# Altium PCB Ixora.PcbDoc (part 3 of 13)
Units mm, origin at the board's own origin, x right, y up, seen from the top; angles counter-clockwise.
Board outline 125 x 90 mm, 6 copper layers (Top Layer, GND, Mid-Layer 1, Mid-Layer 2, POWER, Bottom Layer), stack 1.561 mm thick; 454 components, 512 nets, 2071 pads, 863 vias.
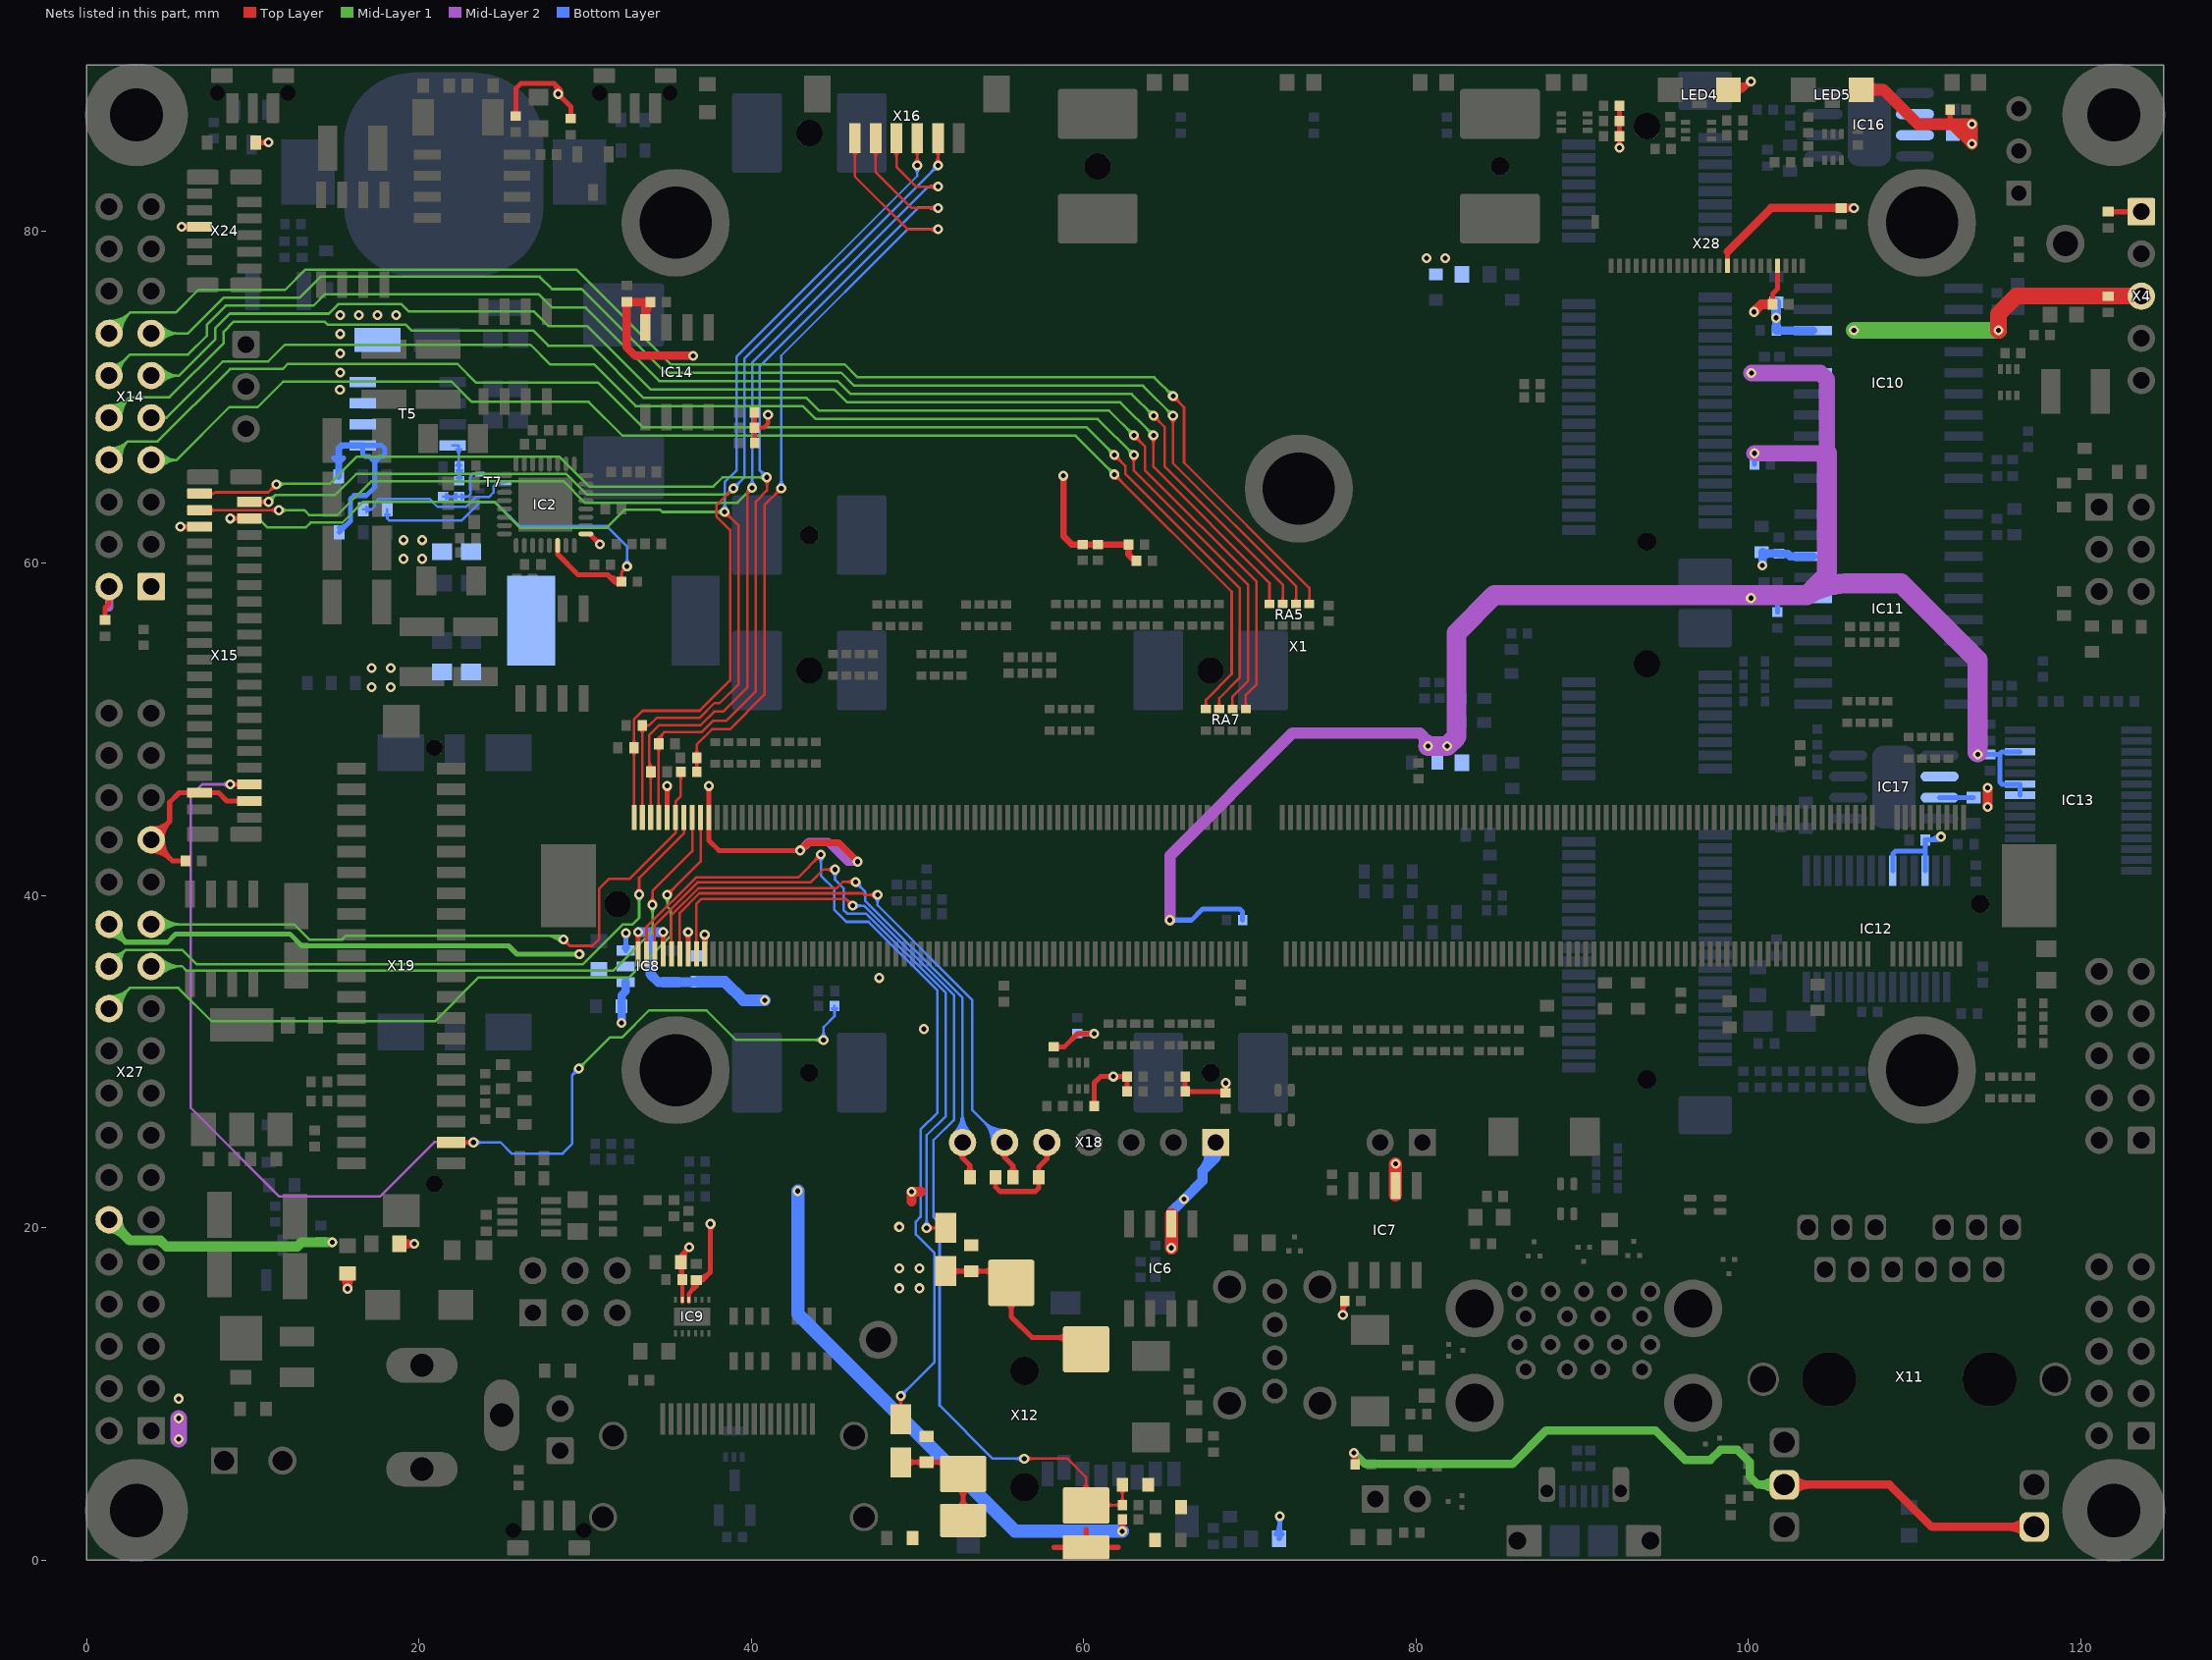
[diagram p7: the nets of this part, all layers, seen from the top]

## Via types
v1: diameter 0.6, hole 0.3, Top Layer to Bottom Layer, tented both sides, 852 vias
v2: diameter 0.6, hole 0.3, Top Layer to Bottom Layer, 11 vias

## Nets (pads, with @x,y where several pads share a name; then routed paths per layer and width w, separated by ;. In a path a pad name is that pad's centre, name@x,y a point inside that pad or via, vN(x,y) a via of type N, cw(c..) or ccw(c..) an arc to the next point about the centre after c; other vN are vias at no path point) (continued)
3.3V_SW: C1.2 C87.2 C95.2 C96.2 C97.2 C108.2 C109.2 C117.2 C118.2 C122.2 C127.2 C134.2 C139.2 C141.2 C144.2 C146.2 IC8.3 IC9.4 IC10.6 IC11.6 IC12.23 IC12.26 IC13.22 IC13.23 IC13.26 IC14.8 IC16.2 IC16.3 IC17.2 IC17.3 L6.2 L19.2 L26.1 L27.1 L28.1 LED4.A LED5.A R1.1 R36.1 R38.2 R41.2 R42.2 R43.2 R48.1 R51.2 R52.2 R57.1 R59.2 R60.2 R61.2 R62.2 R63.2 R64.2 R77.1 R78.1 R83.1 R86.1 R92.2 R93.2 R94.2 R95.2 R105.2 R111.2 R116.2 R123.1 R124.1 R125.2 T5.5 T5.6 T5.7 T5.8 X4.1 X11.14 X11.16 X14.1 X14.2 X15.3 X15.4 X15.36 X24.6 X27.29 X28.15 | length 336.4
  Top Layer w0.25: IC9.4@36.25,15.55 36.25,16.03 ; C95.2@36.498,16.83 cw(c35.615,16.665) 36.25,16.03 ; 36.586,16.366 ccw(c36.181,16.771) C95.2@36.744,16.876 ; C95.2@36.624,16.743 cw(c36.386,16.503) 36.724,16.503 ; C95.2@36.724,16.8 36.724,16.504 ; C95.2@36.837,16.727 ccw(c37,16.503) 36.724,16.503 ; 36.25,16.03 36.724,16.504
  Top Layer w0.254: R94.2@40.087,68.037 cw(c39.801,67.751) 40.206,67.751 ; R94.2@40.087,68.31 ccw(c39.801,68.596) 40.206,68.596 ; R92.2@40.087,68.951 cw(c39.801,68.665) 40.206,68.665 ; R93.2@40.094,67.396 ccw(c39.824,67.666) 40.206,67.666 ccw(c40.587,67.666) R93.2@40.317,67.396 ; R94.2@40.199,68.174 R94.2@40.206,68.174 ; R93.2@40.206,67.259 R94.2@40.206,68.174 ; 40.206,67.784 cw(c40.564,67.784) R94.2@40.311,68.037 ; 40.206,68.564 ccw(c40.564,68.564) R94.2@40.311,68.31 ; 40.206,68.698 cw(c40.564,68.698) R92.2@40.311,68.951 ; R92.2@40.206,69.081 R94.2@40.206,68.174 ; R94.2@40.311,68.062 cw(c40.58,67.792) 40.58,68.174 cw(c40.58,68.555) R94.2@40.311,68.285 ; v1(41.012,68.936) 41.012,68.418 40.767,68.174 R94.2@40.206,68.174
  Top Layer w0.3: C87.2@1.11,56.59 1.11,57.329 1.36,57.579 X14.2@1.36,58.6 ; X27.29@3.9,42.685 cw(c3.9,41.055) 5.052,42.208 cw(c6.205,43.36) X27.29@4.575,43.36 ; X27.29@3.9,42.985 cw(c3.9,42.08) 4.54,42.72 cw(c5.18,43.36) X27.29@4.275,43.36 ; X27.29@3.913,43.735 ccw(c3.94,44.543) 4.511,43.971 ccw(c5.083,43.4) X27.29@4.275,43.373 ; X27.29@3.923,44.035 ccw(c3.971,45.489) 5,44.46 ; X27.29@4.575,43.383 cw(c6.029,43.431) 5,44.46 ; v1(5.65,62.2) X15.36@6.8,62.2 ; v1@5.756,62.094 cw(c6.012,61.838) 6.012,62.2 cw(c6.012,62.562) v1@5.756,62.306 ; C96.2@5.96,42.1 5.16,42.1 X27.29@3.9,43.36 5,44.46 ; X15.4@6.244,46.094 ccw(c5.988,45.838) 5.988,46.2 ccw(c5.988,46.562) X15.4@6.244,46.306 ; X15.36@6.244,62.094 ccw(c5.988,61.838) 5.988,62.2 ccw(c5.988,62.562) X15.36@6.244,62.306 ; X15.4@7.356,46.094 cw(c7.612,45.838) 7.612,46.2 cw(c7.612,46.562) X15.4@7.356,46.306 ; X15.3@9.244,45.594 ccw(c8.988,45.338) 8.988,45.7 ccw(c8.988,46.062) X15.3@9.244,45.806 ; X15.3@9.8,45.7 8.45,45.7 7.95,46.2 X15.4@6.8,46.2 5.572,46.2 5,45.628 5,44.46 ; R36.1@10.173,85.329 v1(10.958,85.329) ; R36.1@10.296,85.205 cw(c10.595,84.906) 10.595,85.329 cw(c10.595,85.751) R36.1@10.296,85.453 ; v1@10.852,85.223 ccw(c10.595,84.967) 10.595,85.329 ccw(c10.595,85.691) v1@10.852,85.435 ; R43.2@25.736,87.012 ccw(c25.506,87.242) 25.832,87.242 ccw(c26.158,87.242) R43.2@25.927,87.012 ; R43.2@25.832,86.916 25.832,88.57 26.137,88.875 28.143,88.875 ; v1@28.248,88.308 ccw(c27.784,88.515) 28.143,88.875 ; v1@28.279,88.353 ccw(c28.023,88.609) 28.385,88.609 ccw(c28.747,88.609) v1@28.491,88.353 ; v1@28.385,88.097 cw(c28.385,87.735) 28.641,87.991 cw(c28.897,88.247) v1@28.535,88.247 ; 28.451,88.566 cw(c28.21,88.325) v1@28.522,88.186 ; R38.2@29.053,86.859 ccw(c28.823,87.09) 29.149,87.09 ccw(c29.475,87.09) R38.2@29.244,86.859 ; R38.2@29.149,86.84 29.149,87.483 v1(28.385,88.247) 28.385,88.633 28.143,88.875 ; C95.2@36.7,16.86 37.06,16.86 ; C95.2@36.74,17 ccw(c36.74,18.11) 37.525,17.325 ; C95.2@36.843,16.765 cw(c37.06,16.564) 37.06,16.86 ; C95.2@36.843,16.955 ccw(c37.06,17.156) 37.06,16.86 ; v1@37.444,20.144 cw(c37.188,19.888) 37.55,19.888 cw(c37.912,19.888) v1@37.656,20.144 ; v1@37.6,20.25 v1(37.55,20.25) 37.55,17.35 37.06,16.86 ; R52.2@58.2,30.909 58.849,30.909 59.64,31.7 v1(60.644,31.7) ; R52.2@58.32,30.813 cw(c58.551,30.583) 58.551,30.909 cw(c58.551,31.235) R52.2@58.32,31.004 ; v1@60.537,31.594 ccw(c60.281,31.338) 60.281,31.7 ccw(c60.281,32.062) v1@60.537,31.806 ; R51.2@60.547,27.455 ccw(c60.317,27.686) 60.643,27.686 ccw(c60.969,27.686) R51.2@60.738,27.455 ; R51.2@60.643,27.335 60.643,28.737 61.019,29.113 v1(61.795,29.113) R64.2@62.617,29.113 ; v1@61.689,29.007 ccw(c61.433,28.751) 61.433,29.113 ccw(c61.433,29.475) v1@61.689,29.219 ; v1@61.901,29.007 cw(c62.157,28.751) 62.157,29.113 cw(c62.157,29.475) v1@61.901,29.219 ; 62.28,29.113 cw(c62.28,28.771) R64.2@62.521,29.013 ; 62.302,29.113 ccw(c62.302,29.423) R64.2@62.521,29.204 ; R61.2@62.521,28.34 ccw(c62.291,28.57) 62.617,28.57 ccw(c62.943,28.57) R61.2@62.712,28.34 ; R64.2@62.521,28.988 cw(c62.291,28.757) 62.617,28.757 cw(c62.943,28.757) R64.2@62.712,28.988 ; R61.2@62.617,28.219 R64.2@62.617,29.108 ; R63.2@66.018,28.34 ccw(c65.788,28.57) 66.114,28.57 ccw(c66.439,28.57) R63.2@66.209,28.34 ; R62.2@66.018,28.988 cw(c65.788,28.758) 66.114,28.758 cw(c66.44,28.758) R62.2@66.209,28.988 ; R62.2@66.114,29.108 66.114,28.245 66.139,28.219 68.555,28.219 v1(68.555,28.727) ; R63.2@66.209,28.124 cw(c66.439,27.894) 66.439,28.219 cw(c66.439,28.545) R63.2@66.209,28.315 ; 67.996,28.219 cw(c67.996,27.599) R60.2@68.434,28.038 ; v1@68.449,28.621 cw(c68.192,28.365) 68.555,28.365 cw(c68.917,28.365) v1@68.661,28.621 ; R60.2@68.459,28.229 ccw(c68.229,28.459) 68.555,28.459 ccw(c68.881,28.459) R60.2@68.65,28.229 ; v1@68.471,28.603 cw(c68.373,28.458) R60.2@68.542,28.412 ; R60.2@68.567,28.412 cw(c68.736,28.458) v1@68.638,28.603 ; v1@75.494,14.867 ccw(c75.238,15.123) 75.6,15.123 ccw(c75.962,15.123) v1@75.706,14.867 ; v1(75.6,14.761) 75.6,15.48 R48.1@75.72,15.6 ; v1@75.6,14.959 cw(c76.336,14.959) R48.1@75.815,15.48 ; v1@76.16,6.368 cw(c75.72,5.928) R57.1@76.342,5.928 ; v1(76.266,6.474) 76.342,6.398 R57.1@76.342,5.77 ; v1@92.144,85.113 ccw(c91.888,85.369) 92.25,85.369 ccw(c92.612,85.369) v1@92.356,85.113 ; R123.1@92.152,87.408 cw(c91.915,87.171) 92.25,87.171 ; R125.2@92.155,85.579 cw(c91.924,85.349) 92.25,85.349 cw(c92.576,85.349) R125.2@92.346,85.579 ; R125.2@92.155,85.82 ccw(c91.924,86.051) 92.25,86.051 ccw(c92.576,86.051) R125.2@92.346,85.82 ; R124.1@92.155,86.494 cw(c91.924,86.263) 92.25,86.263 cw(c92.576,86.263) R124.1@92.346,86.494 ; R124.1@92.155,86.734 ccw(c91.924,86.965) 92.25,86.965 ccw(c92.576,86.965) R124.1@92.346,86.734 ; R123.1@92.248,87.528 92.25,87.526 R125.2@92.25,85.7 v1@92.25,85.033 ; 92.25,87.184 cw(c92.567,87.184) R123.1@92.343,87.408 ; X28.15@98.75,77.905 98.75,78.76 ; LED4.A@99,88.728 ccw(c99.441,89.244) 99.92,88.764 ; LED4.A@99.195,88.956 ccw(c99.652,89.492) v1(100.15,88.994) 99.656,88.5 ; LED4.A@99.37,88.298 cw(c99.656,88.196) 99.656,88.5 ; LED4.A@99.37,88.702 ccw(c99.656,88.804) 99.656,88.5 ; 99.691,88.535 cw(c99.229,88.997) LED4.A@98.805,88.5 99.656,88.5 ; v1@100,88.994 cw(c99.638,88.994) 99.894,88.738 cw(c100.15,88.482) v1@100.15,88.844 ; R1.1@112.048,87.179 cw(c111.822,86.954) 112.141,86.954 ; 112.141,86.614 R1.1@112.141,87.302 ; 112.141,86.944 cw(c112.474,86.944) R1.1@112.239,87.179 ; C1.2@121.655,81.16 X4.1@123.65,81.16 ; C1.2@121.789,81.066 cw(c122.016,80.839) 122.016,81.16 ; C1.2@121.789,81.264 ccw(c122.04,81.515) 122.04,81.16 ; X4.1@123.385,80.895 ccw(c122.745,80.255) 122.745,81.16 ccw(c122.745,82.065) X4.1@123.385,81.425
  Top Layer w0.4: v1(5.729,80.25) X24.6@6.8,80.25 ; 58.786,61.635 59.286,61.135 R42.2@59.931,61.135 R77.1@62.704,61.135 62.704,60.537 63.073,60.168 R78.1@63.178,60.168 ; 58.786,61.661 v1(58.786,65.27)
  Top Layer w0.5: IC14.8@33.63,74.201 33.63,75.717 ; IC14.8@33.63,74.875 cw(c34.75,74.875) R95.2@33.958,75.668 ; R95.2@33.933,75.717 33.63,75.717 ; v1(36.5,72.492) 33.02,72.492 32.512,73 32.512,75.717 33.63,75.717 ; R92.2@40.199,69.088 R92.2@40.206,69.081 ; 98.75,78.76 101.371,81.382 C134.2@105.588,81.382 v1(106.35,81.382) ; X11.16@102.163,4.55 108.5,4.55 111.04,2.01 X11.14@117.2,2.01 ; X11.16@102.615,4.098 cw(c103.706,3.007) 103.706,4.55 cw(c103.706,6.093) X11.16@102.615,5.002 ; X11.14@116.748,1.558 ccw(c115.657,0.467) 115.657,2.01 ccw(c115.657,3.553) X11.14@116.748,2.462
  Top Layer w0.6: L26.1@15.569,17.002 cw(c15.253,16.686) 15.7,16.686 cw(c16.147,16.686) L26.1@15.831,17.002 ; v1(15.7,16.35) L26.1@15.7,17.26 ; v1(114.398,45.35) v1(114.398,46.5)
  Top Layer w0.7: LED5.A@106.805,88.5 108.121,88.5 110.189,86.433 113.462,86.433 113.462,85.258 112.301,86.418 ; LED5.A@107.088,88.217 cw(c107.771,87.534) 107.771,88.5 cw(c107.771,89.466) LED5.A@107.088,88.783
  Mid-Layer 2 w0.3: 80.214,49.51 cw(c79.958,49.254) 80.32,49.254 ; 80.747,49.561 ccw(c81.003,49.817) 81.003,49.455
  Mid-Layer 2 w0.5: 1.36,57.342 X14.2@1.36,58.6
  Mid-Layer 2 w0.7: v1(65.2,38.532) 65.2,42.416 72.568,49.784 80.239,49.784 80.724,49.299 v1(80.724,49)
  Mid-Layer 2 w1: v1(5.55,7.288) v1(5.55,8.55) ; v1(100.18,71.455) 104.338,71.455 104.724,71.069 104.724,66.625 v1(100.37,66.625)
  Mid-Layer 2 w1.2: v1(80.724,49) v1(81.874,49) 82.439,49.566 82.439,55.82 84.711,58.092 103.532,58.092 ; 104.724,66.625 104.724,59.284 103.532,58.092 ; v1@113.8,48.641 113.8,54.196 109.2,58.796 106.206,58.796 ccw(c106.108,53.736) 103.532,58.092
  Mid-Layer 1 w0.5: v1(76.266,6.474) 76.949,5.791 85.801,5.791 87.833,7.823 94.412,7.823 96.19,6.045 97.714,6.045 98.323,6.655 99.339,6.655 100.076,5.918 100.076,5.049 100.575,4.55 X11.16@102.163,4.55 ; X11.16@101.711,4.098 ccw(c100.62,3.007) 100.62,4.55 ccw(c100.621,6.093) X11.16@101.711,5.002
  Bottom Layer w0.3: 14.869,66.347 15.175,66.04 15.482,66.347 ; R83.1@15.201,61.874 15.215,61.874 15.875,62.535 15.875,63.856 16.104,64.084 16.84,64.084 17.35,64.594 17.35,66.114 ; R83.1@15.201,62.149 ccw(c15.201,62.847) 15.694,62.354 ; IC8.3@32.348,36.853 ccw(c32.092,37.109) 32.454,37.109 ccw(c32.816,37.109) IC8.3@32.56,36.853 ; v1@32.348,37.645 cw(c32.092,37.389) 32.454,37.389 cw(c32.816,37.389) v1@32.56,37.645 ; IC8.3@32.454,36.698 v1(32.454,37.75) ; R59.2@59.621,31.7 v1(60.644,31.7) ; v1@60.537,31.594 ccw(c60.281,31.338) 60.281,31.7 ccw(c60.281,32.062) v1@60.537,31.806 ; v1(65.2,38.532) 66.497,38.532 67.158,39.192 69.393,39.192 69.568,39.017 R116.2@69.568,38.532 ; v1@65.306,38.426 cw(c65.562,38.17) 65.562,38.532 cw(c65.562,38.894) v1@65.306,38.638 ; L19.2@71.556,1.567 ccw(c70.969,2.154) 71.8,2.154 ; v1@71.694,2.544 cw(c71.438,2.288) 71.8,2.288 cw(c72.162,2.288) v1@71.906,2.544 ; L19.2@71.758,1.3 71.8,1.342 v1(71.8,2.65) ; 71.8,1.952 ccw(c72.345,1.952) L19.2@71.96,1.567 ; v1@100.264,66.519 cw(c100.008,66.263) 100.37,66.263 cw(c100.732,66.263) v1@100.476,66.519 ; R105.2@100.37,65.95 v1(100.37,66.625) ; R111.2@101.75,57.07 101.75,57.89 C117.2@101.75,57.91 ; IC12.23@108.693,41.5 108.693,42.526 108.842,42.675 110.657,42.675 ; IC12.26@110.657,41.5 110.657,42.675 ; C122.2@110.844,43.35 ccw(c110.844,44.178) v1@111.479,43.646 ; IC17.3@111.512,45.9 C144.2@113.55,45.9 ; v1(111.594,43.55) 111.394,43.35 C122.2@110.657,43.35 110.657,42.675 ; v1(113.8,48.5) C127.2@114.545,48.5 ; v1@113.906,48.394 cw(c114.162,48.138) 114.162,48.5 cw(c114.162,48.862) v1@113.906,48.606 ; C127.2@114.695,48.5 115.099,48.5 115.138,48.539 ; IC13.22@116.35,46.054 IC13.23@116.35,46.704 115.272,46.704 115.138,46.838 115.138,48.539 ; IC13.26@116.35,48.654 115.253,48.654 115.138,48.539 ; 17.35,66.114 17.657,66.421 17.805,66.421 17.958,66.573 17.958,66.894 17.757,67.095 T5.5@16.62,67.095 16.62,66.565 16.764,66.421 17.043,66.421 17.35,66.114
  Bottom Layer w0.4: R86.1@15.175,65.227 15.175,66.04 15.175,66.915 15.355,67.095 T5.5@16.62,67.095
  Bottom Layer w0.5: v1(100.15,57.91) C118.2@100.95,57.91 100.97,57.89 101.75,57.89 IC11.6@103.9,57.89 ; v1(100.18,71.455) C109.2@100.971,71.455 C108.2@101.875,71.455 101.9,71.48 IC10.6@103.895,71.48
  other v1: 5.55,9.728 15.25,70.45 15.26,71.475 15.26,72.641 15.26,73.807 15.26,74.935 16.388,74.935 17.516,74.935 18.644,74.935 80.645,78.359 81.75,78.359 92.25,85.007 113.454,85.25 113.454,86.425
3.3V_SW_EN: R28.1 R29.2 T7.2 | length 11.1
  Bottom Layer w0.15: R28.1@16.651,63.246 17.17,63.246 ; R28.1@16.846,63.09 cw(c17.17,62.831) 17.17,63.246 ; R28.1@16.846,63.402 ccw(c17.17,63.661) 17.17,63.246 ; T7.2@25.062,64.819 ccw(c24.934,64.691) 24.934,64.872 ccw(c24.934,65.053) T7.2@25.062,64.925 ; T7.2@25.25,64.872 24.714,64.872 24.486,64.643 24.486,64.262 24.206,63.983 23.419,63.983 22.836,63.4 21.131,63.4 20.65,63.881 17.577,63.881 17.348,63.652 17.348,63.424 17.17,63.246
3.3V_SW_EN#: C42.1 R27.1 T5.4 | length 7
  Bottom Layer w0.15: T5.4@22.02,67.095 22.4,67.095 C42.1@22.4,65.493 ; C42.1@22.251,65.876 ccw(c21.884,66.243) 22.403,66.243 ccw(c22.922,66.243) C42.1@22.555,65.876 ; T5.4@22.251,66.864 cw(c21.884,66.497) 22.403,66.497 cw(c22.922,66.497) T5.4@22.555,66.864 ; C42.1@22.288,65.603 cw(c21.921,65.236) 22.44,65.236 cw(c22.959,65.236) C42.1@22.592,65.603 ; R27.1@22.291,65.124 ccw(c21.933,65.482) 22.44,65.482 ccw(c22.947,65.482) R27.1@22.588,65.124 ; C42.1@22.318,65.578 cw(c22.198,65.402) 22.404,65.347 ; C42.1@22.332,65.569 cw(c22.194,65.329) 22.462,65.401 ; 22.418,65.401 cw(c22.686,65.329) C42.1@22.547,65.569 ; R27.1@22.44,64.975 C42.1@22.44,65.795 ; 22.476,65.347 cw(c22.682,65.402) C42.1@22.562,65.578
3.3V_SW_EN_R#: R26.2 R27.2 T7.6 | length 5.9
  Bottom Layer w0.15: R26.2@21.46,64.015 R27.2@22.44,64.015 22.944,64.015 23.114,64.186 23.114,65.227 23.258,65.372 T7.6@23.67,65.372 ; R26.2@21.633,63.867 cw(c21.992,63.508) 21.992,64.015 cw(c21.992,64.522) R26.2@21.633,64.164 ; R27.2@22.266,63.867 ccw(c21.908,63.508) 21.908,64.015 ccw(c21.908,64.522) R27.2@22.266,64.164 ; R27.2@22.572,63.877 cw(c22.876,63.612) 22.876,64.015 cw(c22.876,64.419) R27.2@22.572,64.154 ; T7.6@23.482,65.319 ccw(c23.354,65.191) 23.354,65.372 ccw(c23.354,65.553) T7.6@23.482,65.425
5V_PGOOD: IC2.30 R17.1 R28.2 | length 28.7
  Top Layer w0.15: R17.1@32.047,59.074 ccw(c31.688,59.432) 32.195,59.432 ccw(c32.702,59.432) R17.1@32.343,59.074 ; R17.1@32.195,58.9 32.195,59.477 ; v1@32.306,59.789 cw(c31.922,59.75) 32.195,59.477 ; v1@32.507,59.588 ccw(c32.468,59.203) 32.195,59.477 ; v1(32.53,59.812) 32.195,59.477
  Top Layer w0.3: IC2.30@28.35,61.075 28.35,60.55 29.58,59.32 31.36,59.32 ; 31.774,58.906 ccw(c32.138,59.271) R17.1@32.222,58.762 ; R17.1@32.1,58.805 ccw(c31.869,58.574) 31.869,58.9 ccw(c31.869,59.226) R17.1@32.1,58.995 ; R17.1@32.173,59.058 cw(c32.022,59.982) 31.36,59.32 ; R17.1@32.195,58.9 31.78,58.9 31.36,59.32
  Bottom Layer w0.15: R28.2@17.969,62.934 cw(c17.822,62.697) 18.101,62.697 ; R28.2@18.101,63.246 18.101,62.697 ; R28.2@18.233,62.934 ccw(c18.38,62.697) 18.101,62.697 ; v1@32.371,59.971 ccw(c31.987,60.355) 32.53,60.355 ccw(c33.073,60.355) v1@32.689,59.971 ; v1(32.53,59.812) 32.53,61.018 31.309,62.239 26.051,62.239 24.613,63.678 23.673,63.678 22.581,62.586 18.212,62.586 18.101,62.697
5V_SW: C2.1 C36.2 C37.2 C38.2 C39.2 C55.2 C65.2 C66.1 C86.2 C104.2 C105.2 C113.2 C114.2 C133.2 IC2.1 IC6.2 IC7.2 IC8.1 IC9.5 IC10.8 IC11.8 L5.2 L25.1 X4.3 X18.1 X27.12 X28.21 | length 76.5
  Top Layer w0.25: C55.2@35.616,17.707 cw(c35.051,17.141) C66.1@35.85,17.141 ; C66.1@35.708,17.024 ccw(c35.224,17.309) 35.766,17.454 ; C66.1@35.733,16.743 cw(c35.452,16.462) 35.85,16.462 cw(c36.248,16.462) C66.1@35.967,16.743 ; C66.1@35.733,17.057 ccw(c35.452,17.338) 35.85,17.338 ccw(c36.248,17.338) C66.1@35.967,17.057 ; C55.2@35.75,18.012 cw(c36.314,18.096) 35.911,18.499 ; IC9.5@35.85,15.55 C66.1@35.85,16.9 35.85,17.866 C55.2@35.775,17.941 35.775,18.363 v1(36.262,18.85) ; 35.85,17.504 cw(c36.137,17.504) C55.2@35.934,17.707 ; C55.2@35.998,18.049 cw(c36.925,18.187) v1(36.262,18.85) ; v1@36.087,18.85 cw(c35.665,18.85) 35.963,18.551 cw(c36.262,18.253) v1@36.262,18.675
  Top Layer w0.3: IC2.1@30.05,61.775 30.275,61.775 v1(30.9,61.15) ; v1@30.75,61.15 ccw(c30.388,61.15) 30.644,61.406 ccw(c30.9,61.662) v1@30.9,61.3 ; C133.2@101.466,75.59 101.466,76.218 101.75,76.502 X28.21@101.75,77.905
  Top Layer w0.5: L25.1@18.828,19.05 v1(19.736,19.05) ; L25.1@19.111,18.919 cw(c19.427,18.603) 19.427,19.05 cw(c19.427,19.497) L25.1@19.111,19.181
  Top Layer w0.6: v1(100.33,75.133) 100.787,75.59 C133.2@101.466,75.59
  Top Layer w0.8: v1(65.285,18.8) IC6.2@65.285,20.25 IC6.2@65.285,20.8 ; IC7.2@78.768,22 v1(78.768,23.86)
  Top Layer w1: v1(115.041,74.02) 115.041,75.011 116.11,76.08 C2.1@121.65,76.08 X4.3@123.65,76.08
  Mid-Layer 1 w0.6: X27.12@1.36,19.975 cw(c1.36,18.708) 2.256,19.604 cw(c3.152,20.5) X27.12@1.885,20.5 ; X27.12@1.36,20.5 2.61,19.25 4.45,19.25 4.81,18.89 12.69,18.89 12.95,19.15 v1(14.8,19.15)
  Mid-Layer 1 w1: v1(106.35,74.02) v1(115.041,74.02)
  Bottom Layer w0.5: C65.2@14.1,19.16 14.79,19.16 v1(14.8,19.15) v1@14.85,19.15 ; v1(32.2,32.35) C86.2@32.2,33.35 32.2,34.003 32.454,34.257 IC8.1@32.454,34.798 ; v1(100.85,59.883) 100.85,60.675 100.925,60.6 101.81,60.6 101.85,60.56 102.382,60.56 102.512,60.43 IC11.8@103.9,60.43 ; v1(101.676,74.778) 101.676,74.027 C105.2@101.684,74.02 IC10.8@103.895,74.02
  Bottom Layer w0.6: v1(65.285,18.8) 65.285,20.979 v1(66.05,21.744) 67.153,22.847 67.153,23.447 ; X18.1@67.463,24.955 cw(c66.165,24.435) 67.153,23.447 ; X18.1@67.689,24.695 cw(c67.43,24.243) 67.95,24.243 ; 67.796,24.09 ccw(c67.083,24.803) X18.1@68.02,25.178 ; X18.1@67.95,25.15 67.95,24.243 ; X18.1@68.211,24.695 ccw(c68.47,24.243) 67.95,24.243 ; v1(101.676,74.778) C104.2@101.676,75.704 ; 67.153,23.447 67.95,24.243
  other v1: 17.15,52.55 18.3,52.55 17.15,53.7 18.3,53.7 19.075,60.275 20.2,60.275 19.075,61.4 20.2,61.4
AAP1_HP_AC_L: C76.2 C79.2 X12.2 X12.5 | length 16.8
  Top Layer w0.3: C76.2@51.7,17.404 C79.2@53.237,17.404 55.644,17.404 55.644,14.655 56.895,13.404 X12.2@60.144,13.404 ; C76.2@52.143,17.245 cw(c52.527,16.861) 52.527,17.404 cw(c52.527,17.947) C76.2@52.143,17.563 ; C79.2@53.013,17.245 ccw(c52.629,16.861) 52.629,17.404 ccw(c52.629,17.947) C79.2@53.013,17.563 ; C79.2@53.489,17.245 cw(c53.873,16.861) 53.873,17.404 cw(c53.873,17.947) C79.2@53.489,17.563 ; X12.5@54.41,17.245 ccw(c54.026,16.861) 54.026,17.404 ccw(c54.026,17.947) X12.5@54.41,17.563 ; X12.5@55.485,15.425 cw(c55.101,15.041) 55.644,15.041 cw(c56.187,15.041) X12.5@55.803,15.425 ; X12.2@58.859,13.245 ccw(c58.475,12.861) 58.475,13.404 ccw(c58.475,13.947) X12.2@58.859,13.563
AAP1_HP_AC_R: C77.2 C78.2 X12.3 X12.6 | length 11.7
  Top Layer w0.3: C77.2@49,5.904 C78.2@50.55,5.904 52.744,5.904 X12.6@52.744,3.104 ; C77.2@49.476,5.745 cw(c49.86,5.361) 49.86,5.904 cw(c49.86,6.447) C77.2@49.476,6.063 ; C78.2@50.27,5.745 ccw(c49.886,5.361) 49.886,5.904 ccw(c49.886,6.447) C78.2@50.27,6.063 ; C78.2@50.772,5.745 cw(c51.156,5.361) 51.156,5.904 ; C78.2@50.772,6.063 ccw(c51.156,6.447) 51.156,5.904 ; X12.3@51.54,5.745 ccw(c51.156,5.361) 51.156,5.904 ; X12.3@51.54,6.063 cw(c51.156,6.447) 51.156,5.904 ; X12.6@52.591,3.285 ccw(c52.207,3.669) 52.75,3.669 ccw(c53.293,3.669) X12.6@52.909,3.285 ; X12.3@52.591,4.188 cw(c52.207,3.804) 52.75,3.804 cw(c53.293,3.804) X12.3@52.909,4.188
AAP1_HP_L: C76.1 X1.316 | length 45.1
  Top Layer w0.15: X1.316@34.147,37.204 ccw(c34.019,37.332) 34.2,37.332 ccw(c34.381,37.332) X1.316@34.253,37.204 ; X1.316@34.2,36.5 34.2,38.23 36.77,40.8 43.554,40.8 44.328,41.575 v1(45.042,41.575) ; v1@44.883,41.415 ccw(c44.499,41.031) 44.499,41.575 ccw(c44.499,42.118) v1@44.883,41.734 ; v1(50.55,20) 50.554,20.004 C76.1@51.7,20.004 ; v1@50.695,19.841 cw(c51.079,19.457) 51.079,20 cw(c51.079,20.543) v1@50.695,20.159 ; C76.1@51.29,19.845 ccw(c50.906,19.461) 50.906,20.004 ccw(c50.906,20.547) C76.1@51.29,20.163
  Bottom Layer w0.15: v1@44.883,41.415 cw(c44.499,41.031) 45.042,41.031 cw(c45.585,41.031) v1@45.201,41.415 ; v1(45.042,41.575) 45.042,40.962 45.55,40.454 45.55,39.15 45.775,38.925 46.916,38.925 51.708,34.133 51.708,26.739 50.55,25.582 v1(50.55,20) ; v1@50.391,20.159 ccw(c50.007,20.543) 50.55,20.543 ccw(c51.093,20.543) v1@50.709,20.159
AAP1_HP_R: C77.1 X1.318 | length 58
  Top Layer w0.15: X1.318@33.647,37.204 ccw(c33.519,37.332) 33.7,37.332 ccw(c33.881,37.332) X1.318@33.753,37.204 ; X1.318@33.7,36.5 33.7,38.128 36.672,41.1 42.814,41.1 v1(44.187,42.473) ; v1@43.962,42.473 cw(c43.419,42.473) 43.803,42.089 cw(c44.187,41.705) v1@44.187,42.248 ; C77.1@48.838,9.22 ccw(c48.453,9.604) 48.997,9.604 ccw(c49.54,9.604) C77.1@49.156,9.22 ; v1@48.841,9.741 cw(c48.457,9.357) 49,9.357 cw(c49.543,9.357) v1@49.159,9.741 ; C77.1@49,8.504 v1(49,9.9)
  Bottom Layer w0.15: v1@44.028,42.314 cw(c43.644,41.93) 44.187,41.93 cw(c44.73,41.93) v1@44.346,42.314 ; v1(44.187,42.473) 44.187,41.208 45,40.395 45,39.15 45.72,38.43 47.057,38.43 51.206,34.281 51.206,26.947 50.19,25.931 50.19,20.668 49.911,20.388 49.911,19.612 51.029,18.494 51.029,11.929 v1(49,9.9) ; v1@49,10.125 ccw(c49,10.668) 49.384,10.284 ccw(c49.768,9.9) v1@49.225,9.9